# KiCad board Motherboard.kicad_pcb (continued)
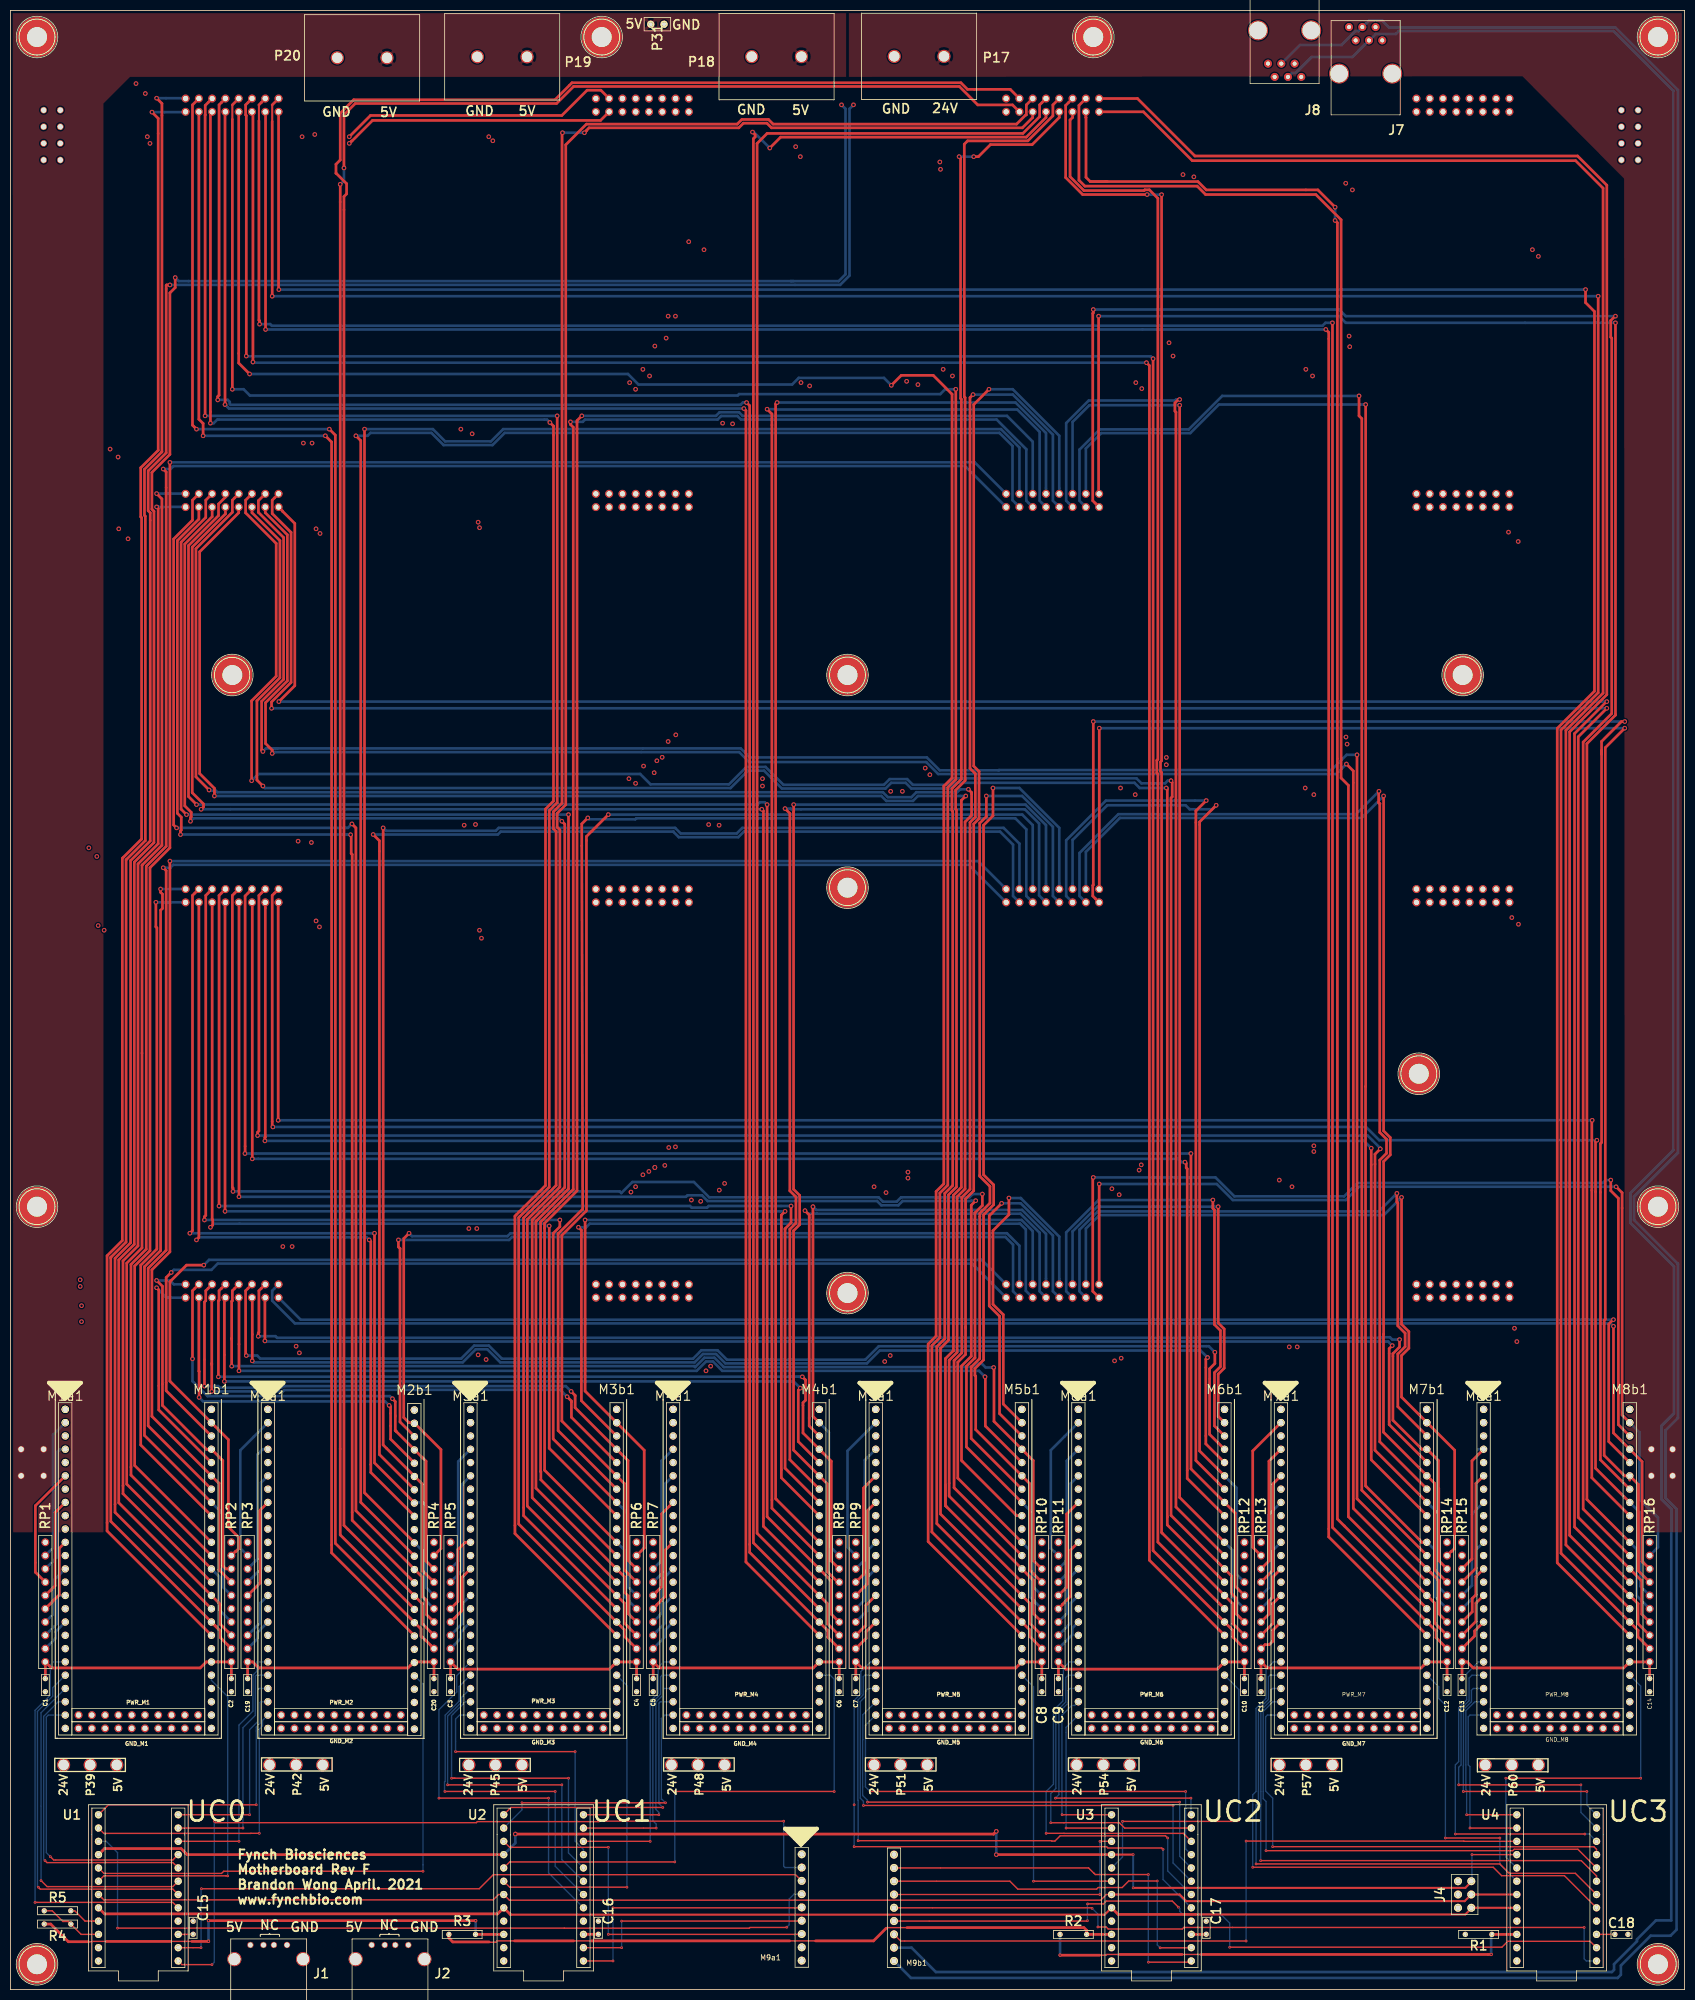
[diagram p0: board, top side]
## Routing (per net, layer and track width the routed paths; a pad name or vN(x,y) marks a point on that pad's centre or on a via; arc(x,y) is an arc through that point) (continued)
/UC1_D8: length 46.2
  Top w0.254: U2.21 v1(123.44,30.86)
  Bottom w0.254: M4a1.41 124.59,60.07 124.28,59.77 124.28,56.45 122.81,54.98 122.81,32.26 123.44,31.62 v1(123.44,30.86)
/UC1_D9: length 41.1
  Top w0.254: U2.23 v1(123.95,33.4)
  Bottom w0.254: v1(123.95,33.4) 123.95,33.86 123.39,34.42 123.39,54.91 124.74,56.26 124.74,57.3 124.97,57.53 M4a1.43
/UC1_D10: length 54
  Top w0.254: v1(124.71,34.8) 95.69,34.8 U2.24
  Bottom w0.254: v1(124.71,34.8) 123.98,35.53 123.98,35.81 123.98,54.74 124.23,54.99 M4a1.45
/UC1_D11: length 52.7
  Top w0.254: v1(97.79,35.69) v1(125.22,35.69)
  Bottom w0.254: M4a1.47 125.09,52.45 124.43,51.79 124.43,36.32 124.59,36.32 v1(125.22,35.69) ; v1(97.79,35.69) 97.79,34.35 U2.22
/UC1_D12: length 73.9
  Top w0.254: 151.13,10.54 v1(114.3,10.54) ; U2.20 95.44,27.18 v1(114.3,27.18)
  Bottom w0.254: v1(114.3,10.54) v1(114.3,27.18)
/UC1_NRST: length 2.9
  Top w0.254: 109.56,10.56 U2.5
  Top w0.508: C16.1 109.56,10.56
/UC1_R: length 96
  Top w0.254: 14.92,9.14 15.56,9.14 15.62,9.2 18.49,9.2 ; 30.62,9.2 34.7,9.2
  Top w0.508: 34.7,9.2 37.82,9.2 v4(37.86,9.24) ; R4.2 7.7,12.51 11.07,9.14 14.92,9.14 ; R3.1 U2.6 ; 18.36,9.2 30.62,9.2 ; v4(37.86,13.16) 88.92,13.16 v4(88.94,13.14)
  Bottom w0.508: v4(88.94,13.14) 88.94,10.58 R3.1 ; v4(37.86,9.24) v4(37.86,13.16)
/UC1_RX: length 46.7
  Top w0.254: 151.13,13.08 v1(116.84,13.08) ; v1(116.84,8) U2.3
  Bottom w0.254: v1(116.84,13.08) v1(116.84,8)
/UC1_TX: length 51.8
  Top w0.254: U2.1 v1(115.19,5.46) ; 151.13,15.62 v1(115.19,15.62)
  Bottom w0.254: v1(115.19,15.62) v1(115.19,5.46)
/UC2_A0: length 60.9
  Top w0.254: v1(212.6,32.13) 234.57,32.13 v1(234.82,32.38)
  Bottom w0.254: U3.16 212.6,25.34 v1(212.6,32.13) ; v1(234.82,32.38) 234.82,57.34 M6b1.42
/UC2_A1: length 55.2
  Top w0.254: v1(195.58,20.7) U3.14
  Bottom w0.254: M5b1.42 195.58,57.85 v1(195.58,20.7)
/UC2_D2: length 110.3
  Top w0.254: v1(220.34,26.8) 220.09,27.05 209.8,27.05 209.55,27.31 v1(161.29,27.31)
  Bottom w0.254: M5a1.39 164.43,62.61 162.56,60.74 162.56,56.51 161.29,55.25 v1(161.29,35.31) v1(161.29,27.31) ; v1(220.34,26.8) 220.34,21.02 U3.9
/UC2_D3: length 106.8
  Top w0.254: v1(162.05,28.45) 199.03,28.45 199.11,28.37 199.67,28.37 200.67,29.38 220.81,29.38 v1(221.23,28.96)
  Bottom w0.254: v1(221.23,28.96) 221.23,22.67 U3.11 ; M5a1.41 163.32,60.07 163.02,59.77 163.02,56.33 162,55.31 162,36.19 162.05,36.14 v1(162.05,28.45)
/UC2_D4: length 99.8
  Top w0.254: v1(222.25,35.18) v1(163.07,35.18)
  Bottom w0.254: v1(163.07,35.18) 163.07,35.97 162.46,36.58 162.46,55.02 163.47,56.03 163.47,57.02 163.98,57.53 M5a1.43 ; v1(222.25,35.18) 222.25,24.19 U3.13
/UC2_D5: length 93.8
  Top w0.254: v1(223.52,35.81) v1(163.83,35.81)
  Bottom w0.254: v1(223.52,35.81) 223.52,25.46 U3.15 ; M5a1.45 162.94,52.51 162.94,47.75 162.92,47.73 162.92,37.09 163.83,36.17 v1(163.83,35.81)
/UC2_D6: length 88.6
  Top w0.254: v1(224.66,37.85) v1(164.34,37.85)
  Bottom w0.254: M5a1.47 163.45,50.48 163.45,38.74 v1(164.34,37.85) ; v1(224.66,37.85) 224.66,26.86 U3.17
/UC2_D7: length 64.7
  Top w0.254: U3.19 224.22,29.85 224.21,29.83 201.42,29.83 201.41,29.85 v1(197.99,29.85)
  Bottom w0.254: v1(197.99,29.85) 197.99,37.85 199.39,39.24 199.39,53.34 201.17,55.12 201.17,57.28 201.29,57.4 201.29,61.47 202.44,62.61 M6a1.39
/UC2_D8: length 58.8
  Top w0.254: v1(198.88,31.88) 201.41,31.88 201.42,31.89 211.97,31.89 213,30.86 U3.21
  Bottom w0.254: M6a1.41 202.18,60.07 201.75,59.64 201.75,54.94 199.85,53.04 199.85,38.43 198.88,37.47 v1(198.88,31.88)
/UC2_D9: length 52.8
  Top w0.254: v1(225.68,36.58) v1(199.77,36.58)
  Bottom w0.254: U3.23 225.68,33.46 v1(225.68,36.58) ; v1(199.77,36.58) 200.43,37.24 200.43,52.97 202.21,54.75 202.21,57.18 202.56,57.53 M6a1.43
/UC2_D10: length 32.7
  Top w0.254: v1(201.04,33.4) U3.24
  Bottom w0.254: v1(201.04,33.4) 201.02,33.43 201.02,52.43 202.88,54.29 203.45,54.29 M6a1.45
/UC2_D11: length 31.3
  Top w0.254: v1(201.8,30.86) U3.22
  Bottom w0.254: M6a1.47 201.8,50.1 v1(201.8,30.86)
/UC2_D12: length 51.8
  Top w0.254: v1(208.28,18.16) M9b1.8 ; U3.20 v1(208.28,28.32)
  Bottom w0.254: v1(208.28,28.32) v1(208.28,18.16)
/UC2_NRST: length 2.9
  Top w0.254: 228.58,10.54 C17.1
  Top w0.508: U3.5 228.58,10.54
/UC2_R: length 129.9
  Top w0.254: 96.37,9.3 93.06,9.3 92.79,9.03 91.57,9.03 91.5,9.1 ; 148.98,9.3 153.92,9.3 ; 171.41,11.84 167.58,11.84 167.46,11.72 167.41,11.72 ; 107.65,9.3 111.06,9.3
  Top w0.508: 171.41,11.84 205.22,11.84 205.74,11.32 R2.1 U3.6 ; R3.2 83.82,9.83 84.56,9.1 91.5,9.1 ; 153.92,9.3 164.99,9.3 167.41,11.72 ; 96.37,9.3 107.65,9.3 ; 111.06,9.3 148.98,9.3
/UC2_RX: length 70.6
  Top w0.254: v1(219.79,7.98) 225.72,7.98 U3.3 ; M9b1.6 191.06,20.7 192.58,19.19 207.64,19.19 207.95,19.5 212.53,19.5 213.78,20.75 v1(219.24,20.75)
  Bottom w0.254: v1(219.79,7.98) 219.24,8.53 v1(219.24,20.75)
/UC2_TX: length 74.2
  Top w0.254: 168.91,23.24 206.1,23.24 207.13,22.21 207.15,22.21 207.39,21.98 v1(217.53,21.98) ; U3.1 225.51,5.23 v1(217.55,5.23)
  Bottom w0.254: v1(217.55,5.23) 217.53,5.25 v1(217.53,21.98)
/UC3_A0: length 64.3
  Top w0.254: v1(285.88,40.39) v1(311.66,40.39)
  Bottom w0.254: U4.16 285.88,25.34 v1(285.88,40.39) ; v1(311.66,40.39) 311.66,57.98 M8b1.42
/UC3_A1: length 52.6
  Top w0.254: v1(284.73,28.96) v1(274.32,28.96)
  Bottom w0.254: v1(284.73,28.96) 284.73,23.94 U4.14 ; v1(274.32,28.96) 274.32,54.36 273.05,55.63 273.05,57.85 270.83,60.07
/UC3_D2: length 111.3
  Top w0.254: U4.9 297.08,21.76 285.08,21.76 283.46,23.37 v1(237.49,23.37)
  Bottom w0.254: v1(237.49,23.37) 237.49,37.21 238.12,37.85 238.12,53.72 240.03,55.63 240.03,61.21 241.43,62.61 M7a1.39
/UC3_D3: length 106.8
  Top w0.254: U4.11 299.16,22.21 286.52,22.21 284.73,24 v1(238.12,24)
  Bottom w0.254: v1(238.12,24) 238.12,35.28 238.58,35.74 238.58,53.53 240.49,55.44 240.49,59.77 240.79,60.07 M7a1.41
/UC3_D4: length 101.9
  Top w0.254: v1(239.01,24.64) 300.29,24.64 303.21,21.72 U4.13
  Bottom w0.254: v1(239.01,24.64) 239.01,35.31 239.04,35.33 239.04,53.34 240.94,55.25 240.94,57.18 241.3,57.53 M7a1.43
/UC3_D5: length 95.8
  Top w0.254: U4.15 299.64,26.81 287.48,26.81 287.21,26.54 v1(240.03,26.54)
  Bottom w0.254: v1(240.03,26.54) 240.03,35.94 239.5,36.47 239.5,53.15 241.33,54.99 M7a1.45
/UC3_D6: length 91.6
  Top w0.254: U4.17 303.21,26.8 302.72,27.29 286.65,27.29 286.64,27.31 v1(241.3,27.31)
  Bottom w0.254: v1(241.3,27.31) 241.3,36.58 239.95,37.92 239.95,52.12 240.28,52.45 M7a1.47
/UC3_D7: length 63.3
  Top w0.254: v1(276.23,29.72) v1(300.99,29.72)
  Bottom w0.254: v1(276.23,29.72) 276.23,42.93 276.86,43.56 276.86,53.85 278.38,55.37 278.38,60.36 280.63,62.61 M8a1.39 ; v1(300.99,29.72) 301.82,29.72 U4.19
/UC3_D8: length 57.1
  Top w0.254: v1(300.23,39.12) v1(276.86,39.12)
  Bottom w0.254: v1(276.86,39.12) 276.86,42.47 277.32,42.93 277.32,53.66 278.84,55.18 278.84,59.51 279.4,60.07 M8a1.41 ; U4.21 300.23,33.85 v1(300.23,39.12)
/UC3_D9: length 51.3
  Top w0.254: v1(301.37,37.85) v1(277.75,37.85)
  Bottom w0.254: M8a1.43 279.65,57.53 279.3,57.18 279.3,54.99 277.77,53.47 277.77,42.74 277.75,42.71 v1(277.75,37.85) ; v1(301.37,37.85) 301.37,35.24 U4.23
/UC3_D10: length 33.6
  Top w0.254: v1(278.38,33.4) U4.24
  Bottom w0.254: v1(278.38,33.4) 278.38,38.08 278.23,38.23 278.23,53.28 279.94,54.99 M8a1.45
/UC3_D11: length 33.4
  Top w0.254: v1(279.02,30.86) U4.22
  Bottom w0.254: v1(279.02,30.86) 279.02,42.6 278.69,42.93 278.69,52.12 279.02,52.45 M8a1.47
/UC3_D12: length 138.7
  Top w0.254: v1(236.22,9.27) 170.18,9.27 168.91,10.54 ; U4.20 277.88,28.32 277.83,28.37 v1(236.22,28.37)
  Bottom w0.254: v1(236.22,28.37) v1(236.22,9.27)
/UC3_NRST: length 3.5
  Top w0.254: C18.1 U4.5
/UC3_R: length 95.1
  Top w0.254: 223.96,6.71 227.69,6.71 ; 212.06,6.71 209.59,6.71 209.45,6.57 208.22,6.57
  Top w0.508: v4(283.07,6.71) 227.69,6.71 ; 200.65,6.57 208.22,6.57 ; 212.06,6.71 223.96,6.71 ; R1.1 U4.6
  Bottom w0.508: R1.1 283.07,10.4 v4(283.07,6.71) ; R2.2 v4(200.66,6.58) 200.65,6.57
/UC3_RX: length 145.4
  Top w0.254: M9b1.12 205.81,13.08 v1(205.88,13.15) ; v1(233.08,8.09) 285.12,8.09 286.25,9.22 302,9.22 U4.3 ; v1(205.93,16.37) 208.96,16.37 209.5,16.91 222.11,16.91 v1(223.28,15.74)
  Bottom w0.254: v1(205.88,13.15) 205.88,16.32 v1(205.93,16.37) ; v1(223.28,15.74) 223.53,15.48 223.53,14.94 224.06,14.42 231.36,14.42 233.08,12.7 v1(233.08,8.09)
/UC3_TX: length 143.7
  Top w0.254: v1(206.79,15.51) 206.67,15.62 168.91,15.62 ; v1(300.85,11.86) 233.63,11.86 233.62,11.87 224.32,11.87 224.02,11.57 209.86,11.57 209.47,11.96 v1(207.89,11.96)
  Bottom w0.254: U4.1 301.25,5.46 300.85,5.87 v1(300.85,11.86) ; v1(207.89,11.96) 207.89,14.41 v1(206.79,15.51)

## Copper pours and planes (outline as drawn; the poured copper is in the pictures)
+5V on Top: 159.77,377.7 0.44,377.7 0.51,87.38 17.78,87.38 17.78,360.43 22.86,365.51 159.77,365.51
+5V on In2.Cu: 159.77,377.7 0.51,377.7 0.16,0.34 319.18,0.34 319.53,56.9 308.1,56.9 308.1,45.09 289.18,45.09 289.18,40.39 274.32,40.39 274.32,56.9 269.49,56.9 269.49,45.09 249.55,45.09 249.55,40.39 234.95,40.39 234.95,56.9 230.76,56.9 230.76,45.09 210.95,45.09 210.95,40.39 196.85,40.39 196.85,56.9 192.02,56.9 192.02,45.09 172.47,45.09 172.47,40.39 157.48,40.39 157.48,56.9 153.29,56.9 153.29,45.09 133.6,45.09 133.6,40.39 119.38,40.39 119.38,56.9 114.55,56.9 114.55,45.09 94.87,45.09 94.87,40.39 81.28,40.39 81.28,56.9 75.82,56.9 75.82,45.09 56.64,45.09 56.64,40.39 41.91,40.39 41.91,56.9 37.08,56.9 37.08,45.09 17.27,45.09 17.27,40.39 7.62,40.39 7.62,47.37 10.16,47.37 10.16,68.71 159.77,68.71
+24V on Top: 160.27,365.51 160.27,377.7 319.53,377.7 319.53,87.38 308.61,87.38 308.48,346.07 289.05,365.63
+24V on In2.Cu: 160.27,68.33 160.27,377.7 319.53,377.7 319.53,57.28 307.72,57.28 307.72,45.47 288.8,45.47 288.8,40.77 274.7,40.77 274.7,57.28 269.11,57.28 268.99,45.47 249.17,45.47 249.17,40.77 235.33,40.77 235.33,57.28 230.38,57.28 230.38,45.47 210.57,45.47 210.57,40.77 197.23,40.77 197.23,57.28 191.64,57.28 191.64,45.47 171.96,45.47 171.96,40.77 157.86,40.77 157.86,57.28 152.91,57.28 152.91,45.47 133.22,45.47 133.22,40.77 119.76,40.77 119.76,57.28 114.17,57.28 114.17,45.47 94.49,45.47 94.49,40.77 81.66,40.77 81.66,57.28 75.44,57.28 75.44,45.47 56.26,45.47 56.26,40.77 42.29,40.77 42.29,57.28 36.7,57.28 36.7,45.47 16.89,45.47 16.89,40.77 8,40.77 8,46.99 10.54,46.99 10.54,68.33
GND on Bottom: 319.41,340.11 319.41,377.7 0.38,377.7 0.38,340.11
GND on In1.Cu: 0.51,377.7 0.52,0.31 319.54,0.31 319.53,377.7
/power/JP1 on Bottom: 11.41,54.36 11.41,40.77 17,40.77 21.7,45.47 36.81,45.47 36.81,54.36
/power/JP2 on Bottom: 50.8,54.36 50.8,40.77 56.39,40.77 61.09,45.47 76.2,45.47 76.2,54.36
/power/JP3 on Bottom: 88.9,54.36 88.9,40.77 94.49,40.77 99.19,45.47 114.3,45.47 114.3,54.36
/power/JP4 on Bottom: 128.32,54.36 128.32,40.77 133.9,40.77 138.6,45.47 153.72,45.47 153.72,54.36
/power/JP5 on Bottom: 166.37,54.36 166.37,40.77 171.96,40.77 176.66,45.47 191.77,45.47 191.77,54.36
/power/JP6 on Bottom: 205.73,54.36 205.73,40.77 211.31,40.77 216.01,45.47 231.13,45.47 231.13,54.36
/power/JP7 on Bottom: 243.87,54.36 243.87,40.77 249.46,40.77 254.16,45.47 269.27,45.47 269.27,54.36
/power/JP8 on Bottom: 283.21,54.36 283.21,40.77 288.8,40.77 293.5,45.47 308.61,45.47 308.61,54.36

## Text on the board
Dwgs.User: FYNCH BIOSCIENCES / eVOLVER / P/N EV-MB Rev D / 4 Layer FR-4 / Final thickness 0.063 / 1 oz copper / Soldermask both sides (green) / Silkscreen both sides (white)
F.SilkS: 24V | P39 | 5V | P42 | P45 | P48 | P51 | P54 | P57 | P60 | NC | GND | Fynch Biosciences / Motherboard Rev F / Brandon Wong April. 2021 / www.fynchbio.com | UC0 | UC1 | UC2 | UC3
